# Altium PCB MCU063A_PCB.PcbDoc (part 6 of 9)
Units mil, origin at the board's own origin, x right, y up, seen from the top; angles counter-clockwise.
Board outline 4165.01 x 2371.03 mil, 10 copper layers (Top Layer, Internal Plane 2, Signal Layer 3, Signal Layer 4, Internal Plane 5, Internal Plane 6, Signal Layer 7, Signal Layer 8, Internal Plane 9, Bottom), stack 59.9 mil thick; 436 components, 392 nets, 1750 pads, 1250 vias.
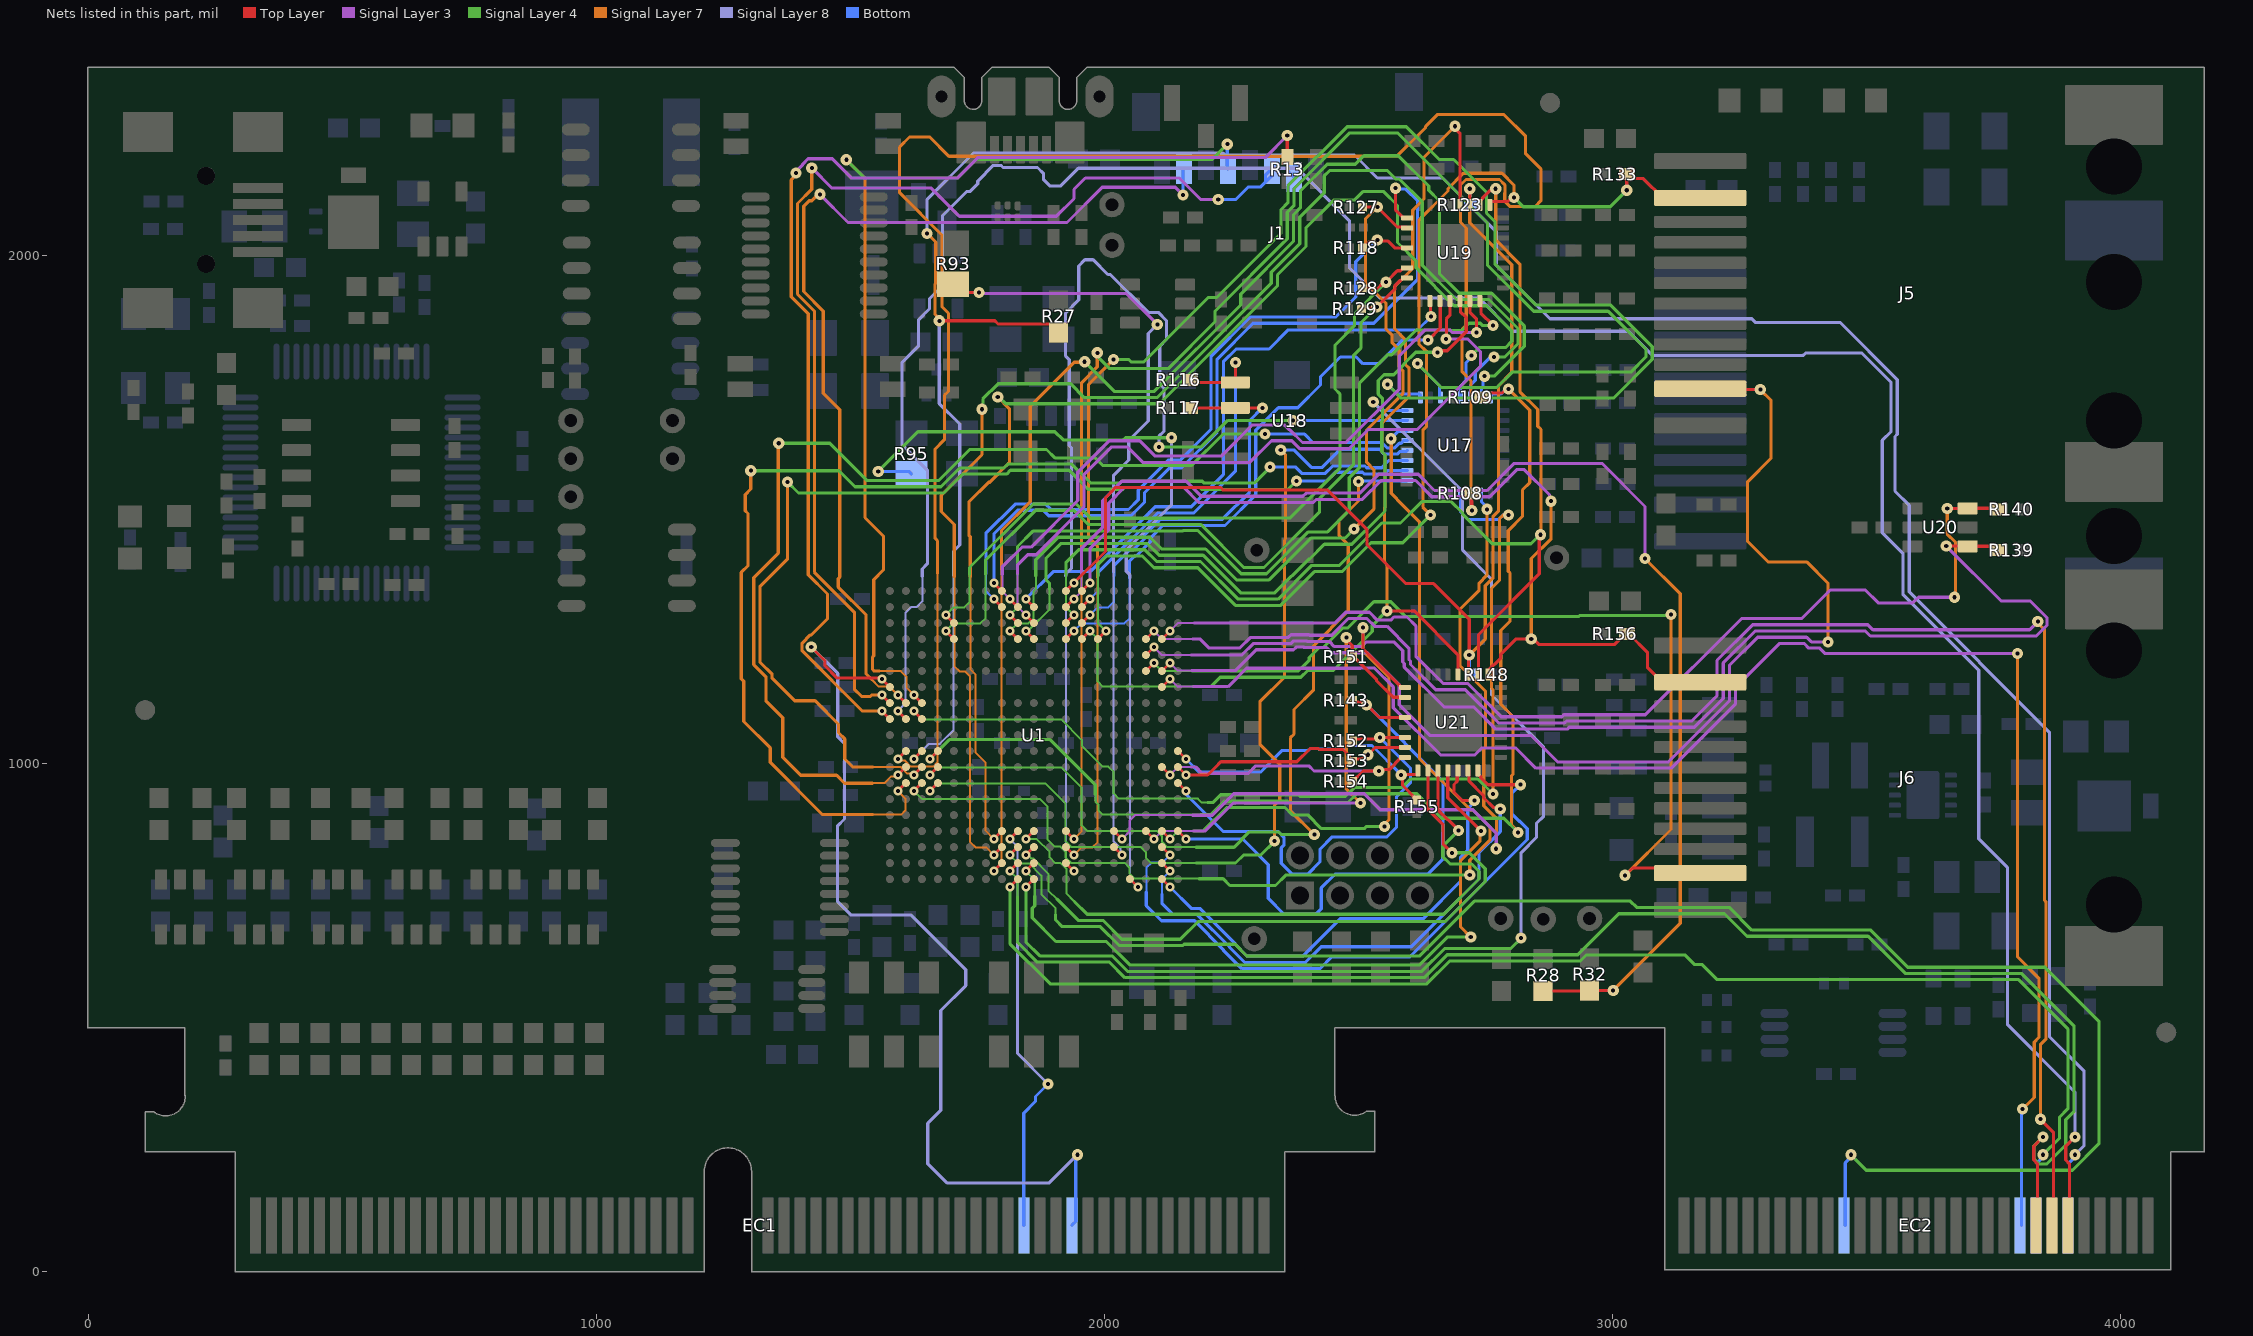
[diagram p14: the nets of this part, all layers, seen from the top]

## Via types
v1: diameter 22, hole 8, Top Layer to Bottom, tented both sides, 895 vias
v2: diameter 18, hole 8, Top Layer to Bottom, tented both sides, 334 vias
v3: diameter 19.68, hole 7.87, Top Layer to Bottom, 19 vias
v4: diameter 18/18/18/18/18/18 (per signal layer), hole 8, Top Layer to Bottom, tented both sides, 1 vias
v5: diameter 22/22/22/22/22/22 (per signal layer), hole 8, Top Layer to Bottom, tented both sides, 1 vias

## Nets (pads, with @x,y where several pads share a name; then routed paths per layer and width w, separated by ;. In a path a pad name is that pad's centre, name@x,y a point inside that pad or via, vN(x,y) a via of type N, cw(c..) or ccw(c..) an arc to the next point about the centre after c; other vN are vias at no path point) (continued)
MCU_GPIO99: EC1.96 U1.G1 | length 1924.5
  Top Layer w6.25: v1(1423.21,1229.31) 1450.27,1202.25 1450.27,1192.17 1474.31,1168.13 1560.42,1168.13 v2(1562.21,1166.34) U1.G1@1577.96,1150.59
  Signal Layer 8 w6.25: v1(1423.21,1229.31) 1475.13,1177.38 1475.13,1052.34 1488.58,1038.89 1488.58,890.77 1474.58,876.77 1474.58,728.66 1501.68,701.56 1619.58,701.56 1727.13,594 1727.13,562.84 1678.13,513.84 1678.13,317.49 1652.38,291.74 1652.38,212.34 1690.17,174.56 1891.54,174.56 v1(1946.98,230)
  Bottom w6.25: EC1.96@1936.03,91 1943.73,98.7 1943.73,222.49 1946.98,225.74 v1(1946.98,230)
MCU_GPIO100: J1.3 U1.H1 | length 2236.3
  Top Layer w6.25: v2(1562.21,1134.84) U1.H1@1577.96,1119.09
  Signal Layer 3 w6.25: v1(1424.21,2172.31) 1463.96,2132.56 1659.28,2132.56 1714.65,2077.19 1905.71,2077.19 1940.33,2111.8 1940.33,2130.07 1962.7,2152.44 2147.21,2152.44 2189.64,2110 v1(2224.21,2110)
  Signal Layer 7 w6.25: v1(1424.21,2172.31) 1424.21,2130.29 1396.07,2102.15 1396.07,1923.9 1429.38,1890.58 1429.38,1376.75 1508.13,1298 1508.13,1146.24 1522.5,1131.88 1539.28,1131.88 1542.25,1134.84 v2(1562.21,1134.84)
  Bottom w6.25: v1(2224.21,2110) 2258.9,2110 2283.71,2134.81 2307.71,2134.81 J1.3@2317.02,2144.13 ; J1.3@2317.02,2144.13 2317.02,2157.69 J1.3@2329.65,2170.31 2329.65,2156.75 J1.3@2317.02,2144.13
MCU_GPIO101: J1.7 U1.H2 | length 1942.3
  Top Layer w6.25: v2(1593.7,1134.84) U1.H2@1609.45,1119.09
  Signal Layer 3 w6.25: v1(1440.21,2120.31) 1495.58,2064.94 1926.46,2064.94 1995.65,2134.13 2139.88,2134.13 v1(2155.01,2119)
  Signal Layer 7 w4: 1542,1165.33 1555.99,1151.34 1577.21,1151.34 v2(1593.7,1134.84)
  Signal Layer 7 w6.25: v1(1440.21,2120.31) 1436.63,2120.31 1424.01,2107.69 1418.94,2107.69 1408.32,2097.07 1408.32,1928.97 1446.88,1890.41 1446.88,1728.88 1479.33,1696.43 1479.33,1366.8 1476.34,1363.81 1476.34,1347.12 1531.21,1292.25 1531.21,1176.12 1542,1165.33
  Bottom w6.25: v1(2155.01,2119) 2155.01,2168.9 J1.7@2156.42,2170.31
MCU_GPIO102: J1.5 U1.H3 | length 2020.7
  Top Layer w6.25: v2(1625.2,1134.84) U1.H3@1640.95,1119.09
  Signal Layer 4 w6.25: v1(1492.21,2188.31) 1528.33,2152.19 1710.45,2152.19 1747.64,2189.38 2212.38,2189.38 v1(2242.01,2219)
  Signal Layer 7 w4: 1556.99,1181.84 1599.42,1181.84 1610.2,1171.05 1610.2,1149.84 v2(1625.2,1134.84)
  Signal Layer 7 w6.25: v1(1492.21,2188.31) 1528.88,2151.63 1528.88,1484 1565.33,1447.55 1565.33,1381.24 1546.08,1361.99 1546.08,1212 1544,1209.92 1544,1185 1547.16,1181.84 1556.99,1181.84
  Bottom w6.25: v1(2242.01,2219) 2242.01,2171.34 J1.5@2243.03,2170.31
MCU_GPIO103: J1.2 R13.1 U1.J1 | length 2385.4
  Top Layer w6.25: v2(1562.21,1103.34) U1.J1@1577.96,1087.6 ; R13.1@2360.01,2193.62 v1(2360.01,2236)
  Signal Layer 3 w6.25: v1(1393.21,2162.31) 1393.21,2165.38 1406.08,2178.25 1406.08,2179.82 1416.7,2190.44 1464.45,2190.44 1502.7,2152.19 1710.45,2152.19 1750.85,2192.59 2316.6,2192.59 v1(2360.01,2236)
  Signal Layer 7 w6.25: v1(1393.21,2162.31) 1393.21,2158.05 1383.82,2148.66 1383.82,1918.82 1417.13,1885.51 1417.13,1371.68 1455.13,1333.68 1455.13,1284.61 1423.71,1253.19 1421.45,1253.19 1405.08,1236.82 1405.08,1221.8 1523.54,1103.34 v2(1562.21,1103.34)
  Bottom w6.25: v1(2360.01,2236) 2360.33,2235.68 2360.33,2167.19 J1.2@2372.96,2154.56
MCU_GPIO104: EC2.169 U1.J2 | length 5097.2
  Top Layer w6.25: v2(1593.7,1103.34) U1.J2@1609.45,1087.6 ; EC2.169@3899.34,91 3899.34,212.49 3892.16,219.67 3892.16,246.88 v1(3910.28,265)
  Signal Layer 8 w4: v2(1593.7,1103.34) 1608.7,1118.34 1608.7,1297.04 1619.73,1308.07 1630.66,1308.07 1641.7,1319.1 1641.7,1368
  Signal Layer 8 w6.25: 1641.7,1368 1641.7,1382.86 1651.83,1393 1651.83,1577.44 1601.88,1627.39 1601.88,1789.92 1634.38,1822.42 1634.38,1873.45 1655.83,1894.89 1655.83,1914.84 1681.58,1940.59 1681.58,2078.64 1728.63,2125.69 1735.21,2125.69 1750.76,2141.23 1750.76,2146.38 1781.5,2177.13 1796.52,2177.13 1800.52,2173.13 1868.52,2173.13 1880.51,2161.13 1880.51,2148.87 1892.5,2136.88 1914.14,2136.88 1948.89,2171.63 2379.34,2171.63 2482.38,2068.58 2482.38,1976.18 2542.13,1916.44 2736.71,1916.44 2802.34,1850.81 3030.83,1850.81 3078.46,1803.19 3375.71,1803.19 3380.46,1807.94 3490.86,1807.94 3548.33,1750.47 3548.33,1653.13 3531.08,1635.88 3531.08,1454.56 3571.58,1414.06 3571.58,1332.98 3721.05,1183.52 3721.05,851.84 3777.33,795.55 3777.33,486.55 3910.28,353.6 v1(3910.28,265)
MCU_GPIO105: U1.J3 U17.20 | length 2013
  Top Layer w6.25: v2(1625.2,1103.34) U1.J3@1640.95,1087.6
  Signal Layer 4 w4: v2(1625.2,1103.34) 1641.7,1086.85 1914.88,1086.85 1955.91,1045.82 1955.91,1034.89 1996.94,993.86 2007.87,993.86 2018.15,983.57 2018.15,941.15 2028.43,930.86 2184.14,930.86 2192,923 2203,923
  Signal Layer 4 w6.25: 2203,923 2213.57,923 2229.2,938.63 2382.22,938.63 2385.22,935.63 2474.56,935.63 2491.63,952.69 2585.21,952.69 2601.96,969.44 2735.64,969.44 v1(2764.99,940.09)
  Signal Layer 7 w6.25: v1(2764.99,940.09) 2764.99,1145.54 2762.08,1148.45 2762.08,1344.91 2777.46,1360.28 2777.46,1481.56 2784.89,1489 v1(2795.5,1489)
  Bottom w6.25: U17.20@2700.92,1531.57 2700.92,1494.97 2715.7,1480.19 2776.08,1480.19 2784.89,1489 v1(2795.5,1489)
MCU_GPIO106: R108.2 U1.L2 U17.19 | length 3755.2
  Top Layer w6.25: v2(1593.7,1008.86) U1.L2@1609.45,1024.6 ; v1(2723.21,1498.31) 2723.21,1530.24 R108.2@2724.54,1531.57
  Signal Layer 7 w4: v2(1593.7,1008.86) 1596.38,1006.18 1606.66,1006.18 1618.99,993.86 1662.91,993.86 1671.7,1002.64 1671.7,1373.8
  Signal Layer 7 w6.25: 1671.7,1373.8 1671.7,1438.14 1666.83,1443 1666.83,1619.01 1685.13,1637.32 1685.13,1724.56 1693.33,1732.76 1693.33,1885.86 1680.38,1898.81 1680.38,2039.77 1597.08,2123.07 1597.08,2213.71 1616.5,2233.13 1656.21,2233.13 1694.15,2195.19 2509.71,2195.19 2510.85,2196.32 2576.85,2196.32 2632.33,2251.8 2632.33,2254.07 2655.39,2277.13 2786.52,2277.13 2829.13,2234.51 2829.13,2200.24 2859.13,2170.24 2859.13,2107.49 2847.83,2096.19 2798.7,2096.19 2788.08,2106.8 2788.08,2122.69 2788.33,2122.94 2788.33,2138.82 2777.71,2149.44 2711.7,2149.44 2701.08,2138.82 2701.08,2065.17 2712.33,2053.92 2712.33,1862.8 2704.08,1854.55 2704.08,1771.07 2721.35,1753.8 2721.35,1500.17 v1(2723.21,1498.31)
  Bottom w6.25: U17.19@2720.6,1531.57 2721.9,1530.27 2721.9,1499.62 v1(2723.21,1498.31)
MCU_GPIO107: EC2.170 R27.2 U1.L3 | length 5456.3
  Top Layer w6.25: v2(1625.2,1008.86) U1.L3@1640.95,1024.6 ; v1(1675.21,1871.31) 1784.4,1871.31 1790.64,1865.06 1894.43,1865.06 1910.01,1849.49 R27.2@1910.01,1848.5
  Signal Layer 7 w6.25: v1(1651.21,2043.31) 1668.13,2026.38 1668.13,1945.49 1666.71,1944.07 1666.71,1884.07 1675.21,1875.57 v1(1675.21,1871.31)
  Signal Layer 8 w4: v2(1625.2,1008.86) 1654.93,1038.58 1676.14,1038.58 1703.19,1065.63 1703.19,1369
  Signal Layer 8 w6.25: v1(1651.21,2043.31) 1651.21,2110.27 1742.56,2201.63 2233.75,2201.63 2237.75,2197.63 2492.26,2197.63 2537.45,2152.44 2665.71,2152.44 2771.39,2046.76 2771.39,1980.99 2877.07,1875.31 3274.07,1875.31 3281.11,1868.26 3447.86,1868.26 3560.58,1755.54 3560.58,1648.06 3556.08,1643.56 3556.08,1536.07 3584.08,1508.07 3584.08,1337.8 3860.08,1061.8 3860.08,462.8 3928.41,394.48 3928.41,248.13 v1(3910.28,230) ; v1(1675.21,1871.31) 1675.21,1708.44 1715.33,1668.31 1715.33,1430 1703.19,1417.86 1703.19,1369
  Bottom w6.25: EC2.170@3899.34,91 3899.34,214.05 3915.28,230 v1(3910.28,230)
MCU_GPIO108: R109.1 U1.L4 U17.8 | length 2369.8
  Top Layer w6.25: v2(1656.7,1008.86) U1.L4@1672.44,1024.6 ; R109.1@2744.22,1720.55 2752.91,1729.24 2782.87,1729.24 2790.95,1737.31 v1(2795.21,1737.31)
  Signal Layer 4 w4: 1982.21,939.31 1982.21,925.03 1988.15,919.08 1988.15,908.15 1996.94,899.37 2189.78,899.37
  Signal Layer 4 w6.25: v2(1656.7,1008.86) 1694.97,1047.13 1893.2,1047.13 1982.21,958.12 1982.21,939.31 ; 2189.78,899.37 2209.61,899.37 2235.93,925.69 2360.56,925.69 2362.87,923.38 2479.64,923.38 2496.7,940.44 2615.26,940.44 2663.51,892.19 2786.33,892.19 v1(2814.21,864.31)
  Signal Layer 7 w6.25: v1(2795.21,1737.31) 2837.33,1695.19 2837.33,1552.8 2823.08,1538.55 2823.08,1486.32 2795.08,1458.32 2795.08,1378.44 2798.33,1375.19 2798.33,1280.07 2780.08,1261.82 2780.08,1116.8 2804.33,1092.55 2804.33,978.8 2801.08,975.55 2801.08,880 2814.21,866.88 v1(2814.21,864.31)
  Bottom w6.25: U17.8@2759.97,1720.55 2759.97,1725.47 2761.77,1727.27 2780.9,1727.27 2790.95,1737.31 v1(2795.21,1737.31)
MCU_GPIO109: U1.N2 U17.27 | length 2359.2
  Top Layer w6.25: v2(1593.7,945.86) U1.N2@1609.45,961.61
  Signal Layer 4 w6.25: v1(1304.21,1576.31) 1477.67,1576.31 1509.36,1544.63 1678.56,1544.63 1715.81,1581.88 1802.52,1581.88 1810.02,1589.38 1935.75,1589.38 1972.94,1552.19 2031.13,1552.19 2034.63,1555.69 2192.78,1555.69 2196.59,1551.88 2294.77,1551.88 v1(2326.21,1583.31)
  Signal Layer 7 w4: 1544.26,899.37 1599.92,899.37 1608.7,908.15 1608.7,930.86 v2(1593.7,945.86)
  Signal Layer 7 w6.25: v1(1304.21,1576.31) 1304.21,1540.34 1293.08,1529.21 1293.08,1497.5 1298.58,1492 1298.58,1389.34 1285.33,1376.09 1285.33,1166.82 1290.33,1161.82 1290.33,1082.82 1342.46,1030.69 1342.46,1002.27 1445.36,899.37 1544.26,899.37
  Bottom w6.25: v1@2330.21,1583.31 2376.84,1583.31 2389.53,1570.63 2434.14,1570.63 2449.21,1585.69 2513.09,1585.69 2516.59,1582.19 2545.97,1582.19 2560.32,1596.54 U17.27@2596.58,1596.54
MCU_GPIO110: U1.M2 U17.29 | length 2287.7
  Top Layer w6.25: v2(1593.7,977.36) U1.M2@1609.45,993.11
  Signal Layer 4 w6.25: v1(1359.21,1630.31) 1459.59,1630.31 1533.03,1556.88 1673.49,1556.88 1734.74,1618.13 1886.25,1618.13 1902.75,1601.63 1981.53,1601.63 1996.28,1586.88 2172.09,1586.88 2233.53,1648.31 v1(2316.21,1648.31)
  Signal Layer 7 w4: 1543.21,961.31 1567.37,961.31 1580.74,974.68 1591.02,974.68 v2(1593.7,977.36)
  Signal Layer 7 w6.25: v1(1359.21,1630.31) 1358.08,1629.19 1358.08,1414.19 1309.83,1365.94 1309.83,1194.73 1333.83,1170.73 1333.83,1123.36 1366.96,1090.24 1366.96,1012.42 1402.5,976.88 1473,976.88 1488.56,961.31 1543.21,961.31
  Bottom w6.25: v1(2316.21,1648.31) 2394.07,1648.31 2410.5,1631.88 2545.6,1631.88 2556.29,1621.19 2571.71,1621.19 2580.79,1630.27 2584.06,1630.27 2589.69,1635.91 U17.29@2596.58,1635.91
MCU_GPIO111: U1.M4 U17.25 | length 1797
  Top Layer w6.25: v2(1656.7,977.36) U1.M4@1672.44,993.11
  Signal Layer 4 w4: v2(1656.7,977.36) 1671.7,992.36 1914.88,992.36 1955.16,952.08 1955.16,878.15 1965.9,867.42 2102.81,867.42 2113.4,856.83 2113.4,845.9 2123.99,835.31 2180.21,835.31
  Signal Layer 4 w6.25: 2180.21,835.31 2255.31,835.31 2285.44,865.44 2342.71,865.44 2347.84,860.31 v1(2413.21,860.31)
  Signal Layer 7 w6.25: v1(2413.21,860.31) 2366.08,907.44 2366.08,1050.55 2373.33,1057.8 2373.33,1106.44 2411.88,1144.99 2411.88,1231.99 2480.21,1300.31 2480.21,1430.35 2461.53,1449.02 2461.53,1478 2500.21,1516.68 v1(2500.21,1555.31)
  Bottom w6.25: v1(2500.21,1555.31) 2501.13,1556.24 2595.66,1556.24 U17.25@2596.58,1557.17
MCU_GPIO112: U1.M3 U17.26 | length 2118.2
  Top Layer w6.25: v2(1625.2,977.36) U1.M3@1640.95,993.11
  Signal Layer 4 w6.25: v1(1376.21,1554.31) 1398.14,1532.38 1683.64,1532.38 1720.89,1569.63 1807.59,1569.63 1815.09,1577.13 1930.67,1577.13 1967.86,1539.94 2036.2,1539.94 2039.7,1543.44 2187.7,1543.44 2191.52,1539.63 2361.52,1539.63 v1(2378.21,1556.31)
  Signal Layer 7 w4: 1544.41,993.11 1599.17,993.11 1612.24,980.04 1622.52,980.04 v2(1625.2,977.36)
  Signal Layer 7 w6.25: v1(1376.21,1554.31) 1376.21,1401.99 1322.08,1347.86 1322.08,1199.8 1346.08,1175.8 1346.08,1167.8 1390.45,1123.44 1430.71,1123.44 1476.88,1077.27 1476.88,1060.63 1489,1048.52 1489,1009 1504.89,993.11 1544.41,993.11
  Bottom w6.25: v1(2378.21,1556.31) 2378.21,1557.31 2379.21,1556.31 2437.16,1556.31 2454.28,1573.44 2507.71,1573.44 2511.21,1569.94 2551.04,1569.94 2557.96,1576.85 U17.26@2596.58,1576.85
MCU_GPIO113: U1.N4 U17.28 | length 1940.1
  Top Layer w6.25: v2(1656.7,945.86) U1.N4@1672.44,961.61
  Signal Layer 4 w4: v2(1656.7,945.86) 1671.7,960.86 1883.38,960.86 1923.66,920.58 1923.66,846.66 1934.32,836 2071.24,836 2081.71,825.53 2081.71,814.6 2092.17,804.13 2181.03,804.13
  Signal Layer 4 w6.25: 2181.03,804.13 2258.13,804.13 2274,820 2307.89,820 v1(2335.21,847.31)
  Signal Layer 7 w6.25: v1(2335.21,847.31) 2335.21,918.68 2345.33,928.81 2345.33,998.75 2306.08,1038 2306.08,1121.44 2354.63,1169.99 2354.63,1439.7 2356.58,1441.64 2356.58,1607.94 v1(2347.21,1617.31)
  Bottom w6.25: v1(2347.21,1617.31) 2373.05,1617.31 2407.49,1582.88 2429.07,1582.88 2464.63,1618.44 2541.71,1618.44 2551.21,1608.94 2576.79,1608.94 2582.28,1614.42 2594.79,1614.42 U17.28@2596.58,1616.22
MCU_GPIO114: U1.N3 U17.30 | length 2250.4
  Top Layer w6.25: v2(1625.2,945.86) U1.N3@1640.95,961.61
  Signal Layer 4 w4: v2(1625.2,945.86) 1640.75,930.31 1873.21,930.31 1887.83,915.69 1887.83,851 1902.45,836.38 1913.38,836.38 1924.04,825.72 1924.04,814.79 1934.34,804.49 2039.76,804.49 2049.88,794.36 2049.88,783.43 2060,773.31 2186.21,773.31
  Signal Layer 4 w6.25: 2186.21,773.31 2233.69,773.31 2247,760 2336.87,760 2357.18,780.31 v1(2719.21,780.31)
  Signal Layer 7 w6.25: v1(2564.21,1639.31) 2564.58,1638.94 2564.58,1531.57 2587.65,1508.51 2620.08,1476.07 2620.08,1009.8 2720.7,909.19 2724.96,909.19 2759.33,874.82 2759.33,849.76 2719.21,809.63 v1(2719.21,780.31)
  Bottom w6.25: v1(2564.21,1639.31) 2578.69,1653.79 2594.79,1653.79 U17.30@2596.58,1655.59
MCU_GPIO115: U1.V12 U17.31 | length 2239.9
  Top Layer w6.25: U1.V12@1924.41,804.13 v2(1940.16,788.38)
  Signal Layer 4 w6.25: v1(2107.39,1623.13) 2191.02,1623.13 2243.21,1675.31 v1(2371.21,1675.31)
  Signal Layer 8 w4: 1924.21,1369 1924.21,804.34 v2(1940.16,788.38)
  Signal Layer 8 w6.25: 1924.21,1369 1924.21,1373.31 1935.33,1384.44 1935.33,1621.48 1930.91,1625.91 1930.91,1794.74 1923.82,1801.82 1923.82,1886.76 1949.58,1912.52 1949.58,1979.32 1961.7,1991.44 1977.99,1991.44 2006.99,1962.44 2011.71,1962.44 2086.28,1887.88 2106.28,1887.88 2122.33,1871.82 2122.33,1834.96 2108.88,1821.51 2108.88,1747.34 2117.33,1738.89 2117.33,1653.8 2107.39,1643.87 v1(2107.39,1623.13)
  Bottom w6.25: v1(2371.21,1675.31) U17.31@2596.58,1675.28
MCU_GPIO116: U1.W10 U17.32 | length 2442.4
  Top Layer w6.25: v2(1845.67,756.89) U1.W10@1861.42,772.63
  Signal Layer 4 w6.25: v2(1845.67,756.89) 1845.67,648.71 1873.07,621.31 2015.16,621.31 2045.54,590.94 2624.76,590.94 2669.76,635.94 2799.83,635.94 v1(2820.21,656.31)
  Signal Layer 8 w6.25: v1(2529.21,1711.31) 2705.08,1535.44 2705.08,1420.07 2762.08,1363.07 2762.08,1134.8 2864.58,1032.3 2864.58,896.32 2850.58,882.32 2850.58,854.62 2820.21,824.25 v1(2820.21,656.31)
  Bottom w6.25: v1(2529.21,1711.31) 2545.56,1694.96 U17.32@2596.58,1694.96
MCU_GPIO117: U1.U12 U17.1 | length 3277
  Top Layer w6.25: U1.U12@1924.41,835.63 v2(1940.16,819.88)
  Signal Layer 4 w6.25: v1(2018.21,1795.31) 2047.45,1795.31 2052.58,1790.19 2077.56,1790.19 2204.59,1917.21 2220.86,1917.21 2347.88,2044.24 2347.88,2090.36 2361.33,2103.8 2361.33,2136.93 2477.78,2253.38 2594.51,2253.38 2659.16,2188.72 2687.43,2188.72 2752.08,2124.07 2752.08,2083.39 2768.74,2066.74 2768.74,1983.64 2850.05,1902.33 2996.63,1902.33 3078.38,1820.58 3078.38,1795.42 3002.15,1719.19 2584.33,1719.19 v1(2557.21,1746.31)
  Signal Layer 7 w4: v2(1940.16,819.88) 1955.16,834.88 1976.37,834.88 1986.66,845.16 1986.66,1366
  Signal Layer 7 w6.25: 1986.66,1366 1986.66,1427.43 1969.08,1445 1969.08,1746.19 v1(2018.21,1795.31)
  Bottom w6.25: v1(2557.21,1746.31) 2576.25,1727.27 2620.38,1727.27 2622.17,1725.47 U17.1@2622.17,1720.55
MCU_GPIO118: U1.T12 U17.3 | length 3169.7
  Top Layer w6.25: U1.T12@1924.41,867.12 v2(1940.16,851.38)
  Signal Layer 4 w6.25: v1(1986.21,1808.31) 1989.22,1805.3 1989.22,1798.67 2010.7,1777.19 2125.83,1777.19 2217.75,1869.11 2217.75,1890.53 2360.13,2032.92 2360.13,2085.28 2373.58,2098.73 2373.58,2131.85 2482.85,2241.13 2577.03,2241.13 2754.22,2063.93 2754.22,1980.83 2844.97,1890.08 2991.56,1890.08 3066.13,1815.51 3066.13,1800.49 3035.98,1770.34 2802.6,1770.34 2772.45,1740.19 2663.33,1740.19 v1(2616.21,1787.31)
  Signal Layer 7 w4: v2(1940.16,851.38) 1955.16,866.38 1955.16,1369.26
  Signal Layer 7 w6.25: 1955.16,1369.26 1955.16,1749.59 1986.21,1780.64 v1(1986.21,1808.31)
  Bottom w6.25: v1(2616.21,1787.31) 2659.75,1743.77 2659.75,1722.35 U17.3@2661.54,1720.55
MCU_GPIO119: U1.T15 U17.18 | length 1630.1
  Top Layer w6.25: U1.T15@2018.9,867.12 v2(2034.65,851.38)
  Signal Layer 3 w4: v2(2034.65,851.38) 2049.65,866.38 2049.65,887.59 2060.37,898.31 2173.21,898.31
  Signal Layer 3 w6.25: 2173.21,898.31 2212.25,898.31 2254.38,940.44 2511.71,940.44 2542.96,909.19 2724.96,909.19 2771.21,862.94 v1(2771.21,832.31)
  Signal Layer 7 w6.25: v1(2753.21,1500.31) 2752.96,1500.06 2752.96,1370.43 2737.58,1355.05 2737.58,1341.05 2700.08,1303.55 2700.08,1192.72 2750.28,1142.52 2750.28,1031.68 2746.86,1028.26 2746.86,917.02 2771.58,892.3 2771.58,832.69 v1(2771.21,832.31)
  Bottom w6.25: U17.18@2740.29,1531.57 2742.08,1529.78 2742.08,1515.7 2753.21,1504.57 v1(2753.21,1500.31)
MCU_GPIO120: R93.1 U1.U15 | length 1543.7
  Top Layer w6.25: R93.1@1702.51,1943.66 1718.86,1927.31 v1(1753.21,1927.31) ; U1.U15@2018.9,835.63 v2(2034.65,819.88)
  Signal Layer 3 w6.25: v1(1753.21,1927.31) 1755.67,1924.85 2043.67,1924.85 v1(2104.21,1864.31)
  Signal Layer 8 w4: 2018.21,1377.31 2018.21,846.6 2031.97,832.84 2031.97,822.56 v2(2034.65,819.88)
  Signal Layer 8 w6.25: 2018.21,1377.31 2018.21,1567.57 2048.13,1597.49 2048.13,1635.87 2086.33,1674.07 2086.33,1846.44 v1(2104.21,1864.31)
MCU_GPIO121: R95.1 U1.W16 | length 1638.3
  Top Layer w6.25: U1.W16@2050.4,772.63 v2(2066.14,756.89)
  Signal Layer 4 w6.25: v1(1555.01,1575) 1633.13,1653.13 1902.52,1653.13 1918.77,1636.88 2037.52,1636.88 2041.95,1641.31 v1(2132.21,1641.31)
  Signal Layer 8 w4: 2050.21,1365.31 2050.21,772.82 v2(2066.14,756.89)
  Signal Layer 8 w6.25: 2050.21,1365.31 2050.21,1371.31 2043.21,1378.31 2043.21,1420.31 2132.21,1509.31 v1(2132.21,1641.31)
  Bottom w6.25: v1(1555.01,1575) 1615.01,1575 R95.1@1620.01,1570
MCU_GPIO122: U1.T8 U17.5 | length 2548
  Top Layer w6.25: v2(1782.68,851.38) U1.T8@1798.43,867.12
  Signal Layer 4 w6.25: v1(1790.21,1721.31) 1792.39,1721.31 1805.71,1708 2108.61,1708 2340.88,1940.27 2340.88,1961.69 2396.88,2017.69 2396.88,2054.51 2451.25,2108.88 2492.11,2108.88 2508.93,2125.69 2549.79,2125.69 2577.08,2098.39 2577.08,2025.39 2613.55,1988.93 2613.55,1975.57 2688.06,1901.06 2752.09,1901.06 2801.99,1851.16 2801.99,1831.03 2789.63,1818.68 2737.58,1818.68 v1(2722.21,1803.31)
  Signal Layer 7 w4: 1736.18,1366.93 1736.18,1185.19 1746,1175.38 1746,1021.97 1766.18,1001.78 1766.18,867.87 v2(1782.68,851.38)
  Signal Layer 7 w6.25: 1736.18,1366.93 1736.18,1446.25 1733.44,1449 1733.44,1514.82 1772.27,1553.66 1774.3,1553.66 1813.13,1592.49 1813.13,1698.38 v1(1790.21,1721.31)
  Bottom w6.25: U17.5@2700.92,1720.55 2700.92,1742.39 2711.55,1753.02 2711.55,1788.39 2722.21,1799.05 v1(2722.21,1803.31)
MCU_GPIO123: U1.U8 U17.6 | length 2733.1
  Top Layer w6.25: v2(1782.68,819.88) U1.U8@1798.43,835.63
  Signal Layer 4 w6.25: v1(1759.21,1697.31) 1760.95,1699.05 1760.95,1717.69 1790.82,1747.56 1933.52,1747.56 1960.84,1720.25 2103.54,1720.25 2328.63,1945.34 2328.63,1966.77 2384.63,2022.77 2384.63,2075.13 2432.88,2123.38 2432.88,2156.51 2443.5,2167.13 2556.65,2167.13 2573.34,2150.44 2580.71,2150.44 2625.8,2105.35 2625.8,1980.65 2693.13,1913.31 2757.16,1913.31 2814.24,1856.24 2814.24,1825.96 2788.59,1800.31 v1(2767.21,1800.31)
  Signal Layer 7 w4: 1704.69,1366.83 1704.69,1191.62 1714.88,1181.43 1725.81,1181.43 1736,1171.24 1736,845.35 1746.47,834.88 1767.68,834.88 v2(1782.68,819.88)
  Signal Layer 7 w6.25: 1704.69,1366.83 1704.69,1470.39 1679.08,1496 1679.08,1527.82 1759.21,1607.94 v1(1759.21,1697.31)
  Bottom w6.25: U17.6@2720.6,1720.55 2720.6,1744.75 2730.08,1754.23 2730.08,1769.82 2757.56,1797.3 2764.19,1797.3 v1(2767.21,1800.31)
MCU_GPIO124: U1.V8 U17.7 | length 2669.5
  Top Layer w6.25: v2(1782.68,788.38) U1.V8@1798.43,804.13